# KiCad board BeanBoard.kicad_pcb (continued)
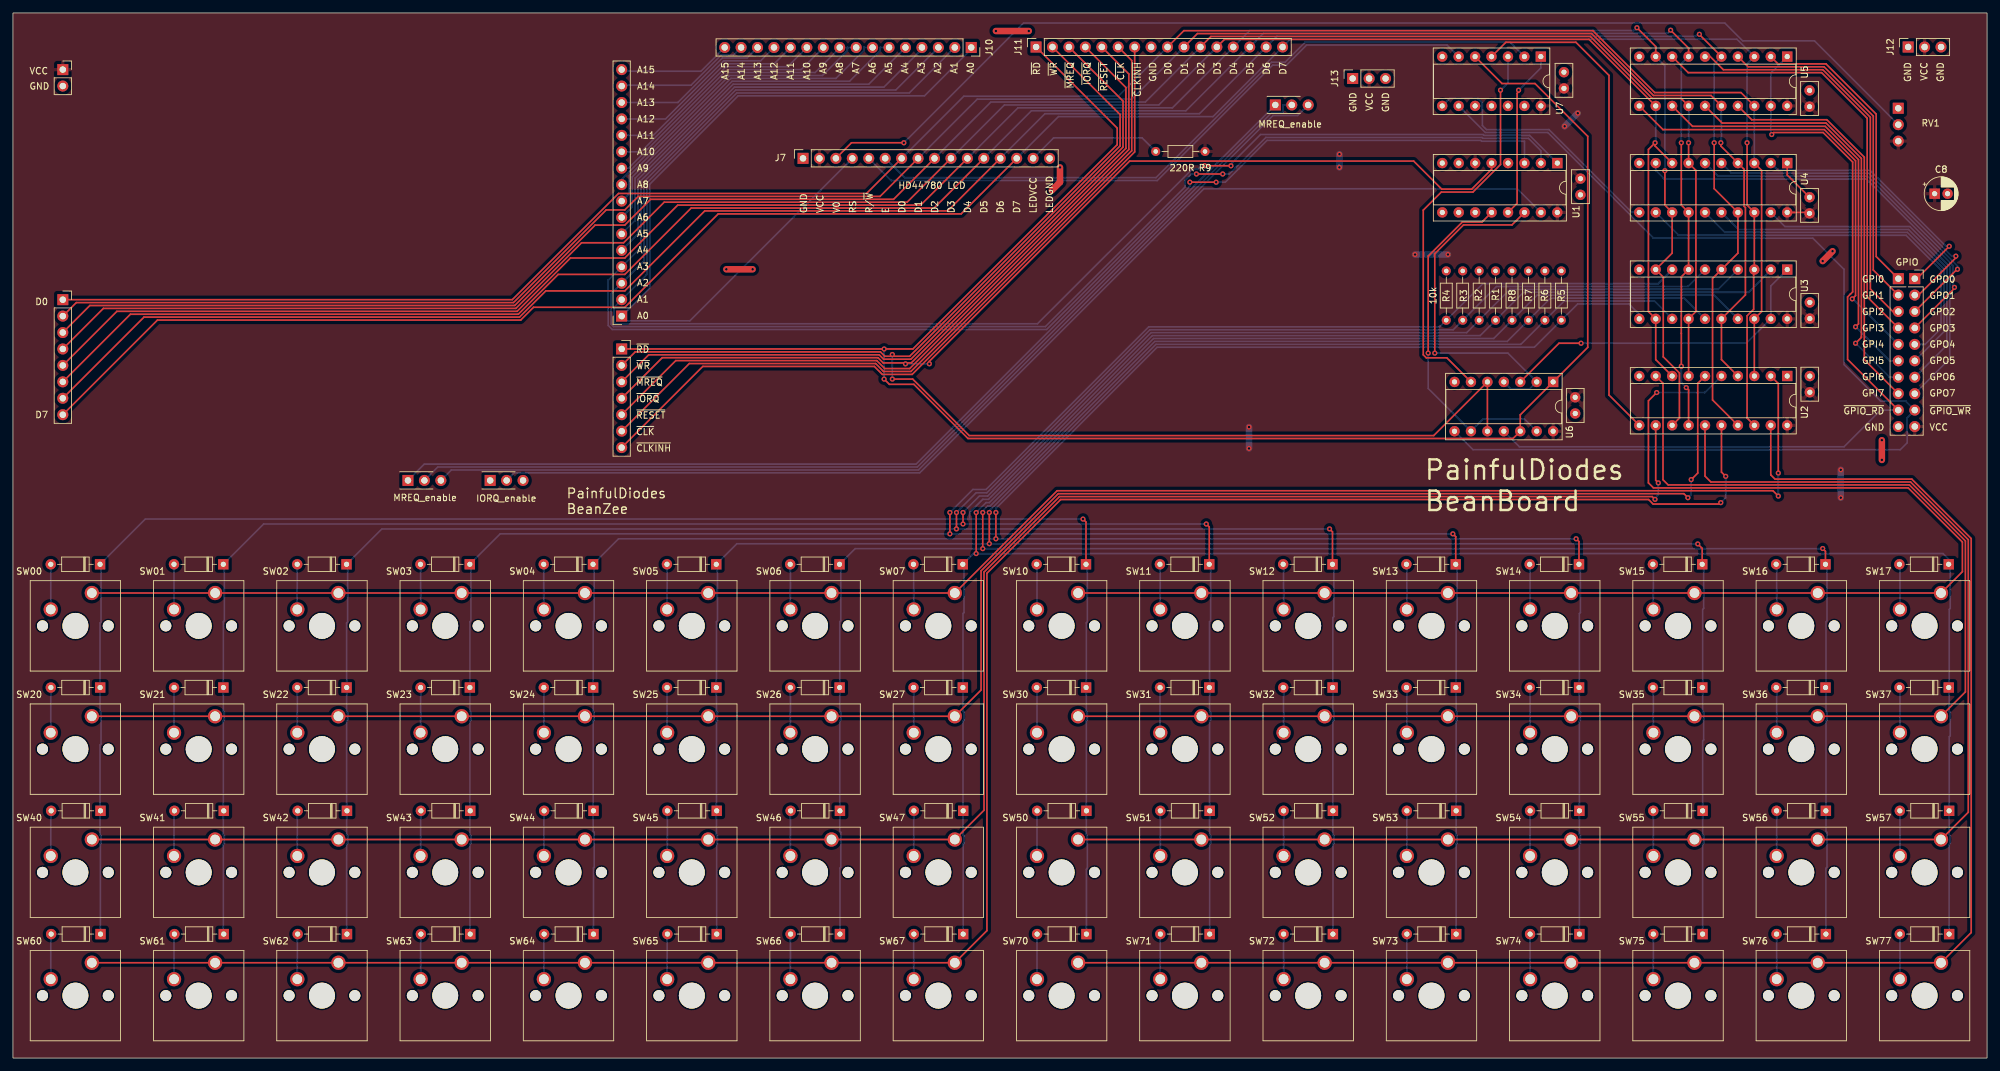
[diagram p0: board, top side]
## Nets
GND: C1.1 C2.1 C3.1 C4.2 C5.2 C6.1 C7.1 C8.2 J4.2 J7.1 J7.16 J9.10 J11.8 J12.1 J12.3 J13.1 J13.3 R1.1 R2.1 R3.1 R4.1 R5.1 R6.1 R7.1 R8.1 RV1.1 U1.4 U1.8 U2.1 U2.10 U3.10 U4.1 U4.10 U5.10 U6.7 U7.7 U7.11 U7.13
VCC: C1.2 C2.2 C3.2 C4.1 C5.1 C6.2 C7.2 C8.1 J4.1 J7.2 J8.10 J12.2 J13.2 R9.2 RV1.3 U1.6 U1.16 U2.20 U3.20 U4.20 U5.20 U6.14 U7.14
/A0: J1.1 J7.4 J10.1
/A1: J1.2 J10.2 U1.1
/A2: J1.3 J10.3 U1.2
/A3: J1.4 J10.4 U1.3
/A4: J1.5 J10.5
/A5: J1.6 J10.6
/A6: J1.7 J10.7
/A7: J1.8 J10.8
/A8: J1.9 J10.9
/A9: J1.10 J10.10
/A10: J1.11 J10.11
/A11: J1.12 J10.12
/A12: J1.13 J10.13
/A13: J1.14 J10.14
/A14: J1.15 J10.15
/A15: J1.16 J10.16
/D0: J2.1 J7.7 J11.9 U2.3 U3.18 U4.3 U5.18
/D1: J2.2 J7.8 J11.10 U2.4 U3.16 U4.4 U5.16
/D2: J2.3 J7.9 J11.11 U2.7 U3.14 U4.7 U5.14
/D3: J2.4 J7.10 J11.12 U2.8 U3.12 U4.8 U5.12
/D4: J2.5 J7.11 J11.13 U2.13 U3.9 U4.13 U5.9
/D5: J2.6 J7.12 J11.14 U2.14 U3.7 U4.14 U5.7
/D6: J2.7 J7.13 J11.15 U2.17 U3.5 U4.17 U5.5
/D7: J2.8 J7.14 J11.16 U2.18 U3.3 U4.18 U5.3
/GPI0: J9.1 U5.2
/GPI1: J9.2 U5.4
/GPI2: J9.3 U5.6
/GPI3: J9.4 U5.8
/GPI4: J9.5 U5.11
/GPI5: J9.6 U5.13
/GPI6: J9.7 U5.15
/GPI7: J9.8 U5.17
/GPIO_WR: U4.11 U7.8
/GPO0: J8.1 U4.2
/GPO1: J8.2 U4.5
/GPO2: J8.3 U4.6
/GPO3: J8.4 U4.9
/GPO4: J8.5 U4.12
/GPO5: J8.6 U4.15
/GPO6: J8.7 U4.16
/GPO7: J8.8 U4.19
/KB_WR: U2.11 U7.4
/LCD_E: J7.6 U7.2
/LCD_LED_VCC: J7.15 R9.1
/LCD_V0: J7.3 RV1.2
/RD: J7.5 U7.6
/~{CLKINH}: J3.7 J11.7
/~{CLK}: J3.6 J11.6
/~{GPIO_E}: U1.12 U6.9 U6.13
/~{GPIO_RD}: J9.9 U5.1 U5.19 U6.11
/~{GPIO_WR}: J8.9 U6.8 U7.9
/~{IORQ}: J3.4 J11.4 U1.5
/~{KB_E}: U1.14 U6.2 U6.4
/~{KB_RD}: U3.1 U3.19 U6.3
/~{KB_WR}: U6.6 U7.3
/~{LCD_E}: U1.13 U7.1
/~{MREQ}: J3.3 J11.3
/~{RD}: J3.1 J11.1 U6.1 U6.12 U7.5
/~{RESET}: J3.5 J11.5
/~{USB_IORQ}: J5.2 U1.15
/~{WR}: J3.2 J11.2 U6.5 U6.10
Net-(D00-A): D00.2 SW00.2
Net-(D00-K): D00.1 D10.1 D20.1 D30.1 D40.1 D50.1 D60.1 D70.1 R1.2 U3.2
Net-(D01-A): D01.2 SW01.2
Net-(D01-K): D01.1 D11.1 D21.1 D31.1 D41.1 D51.1 D61.1 D71.1 R2.2 U3.4
Net-(D02-A): D02.2 SW02.2
Net-(D02-K): D02.1 D12.1 D22.1 D32.1 D42.1 D52.1 D62.1 D72.1 R3.2 U3.6
Net-(D03-A): D03.2 SW03.2
Net-(D03-K): D03.1 D13.1 D23.1 D33.1 D43.1 D53.1 D63.1 D73.1 R4.2 U3.8
Net-(D04-A): D04.2 SW04.2
Net-(D04-K): D04.1 D14.1 D24.1 D34.1 D44.1 D54.1 D64.1 D74.1 R5.2 U3.11
Net-(D05-A): D05.2 SW05.2
Net-(D05-K): D05.1 D15.1 D25.1 D35.1 D45.1 D55.1 D65.1 D75.1 R6.2 U3.13
Net-(D06-A): D06.2 SW06.2
Net-(D06-K): D06.1 D16.1 D26.1 D36.1 D46.1 D56.1 D66.1 D76.1 R7.2 U3.15
Net-(D07-A): D07.2 SW07.2
Net-(D07-K): D07.1 D17.1 D27.1 D37.1 D47.1 D57.1 D67.1 D77.1 R8.2 U3.17
Net-(D10-A): D10.2 SW10.2
Net-(D11-A): D11.2 SW11.2
Net-(D12-A): D12.2 SW12.2
Net-(D13-A): D13.2 SW13.2
Net-(D14-A): D14.2 SW14.2
Net-(D15-A): D15.2 SW15.2
Net-(D16-A): D16.2 SW16.2
Net-(D17-A): D17.2 SW17.2
Net-(D20-A): D20.2 SW20.2
Net-(D21-A): D21.2 SW21.2
Net-(D22-A): D22.2 SW22.2
Net-(D23-A): D23.2 SW23.2
Net-(D24-A): D24.2 SW24.2
Net-(D25-A): D25.2 SW25.2
Net-(D26-A): D26.2 SW26.2
Net-(D27-A): D27.2 SW27.2
Net-(D30-A): D30.2 SW30.2
Net-(D31-A): D31.2 SW31.2
Net-(D32-A): D32.2 SW32.2
Net-(D33-A): D33.2 SW33.2
Net-(D34-A): D34.2 SW34.2
Net-(D35-A): D35.2 SW35.2
Net-(D36-A): D36.2 SW36.2
Net-(D37-A): D37.2 SW37.2
Net-(D40-A): D40.2 SW40.2
Net-(D41-A): D41.2 SW41.2
Net-(D42-A): D42.2 SW42.2
Net-(D43-A): D43.2 SW43.2
Net-(D44-A): D44.2 SW44.2
Net-(D45-A): D45.2 SW45.2
Net-(D46-A): D46.2 SW46.2
Net-(D47-A): D47.2 SW47.2
Net-(D50-A): D50.2 SW50.2
Net-(D51-A): D51.2 SW51.2
Net-(D52-A): D52.2 SW52.2
Net-(D53-A): D53.2 SW53.2
Net-(D54-A): D54.2 SW54.2
Net-(D55-A): D55.2 SW55.2
Net-(D56-A): D56.2 SW56.2
Net-(D57-A): D57.2 SW57.2
Net-(D60-A): D60.2 SW60.2
Net-(D61-A): D61.2 SW61.2
Net-(D62-A): D62.2 SW62.2
Net-(D63-A): D63.2 SW63.2
Net-(D64-A): D64.2 SW64.2
Net-(D65-A): D65.2 SW65.2
Net-(D66-A): D66.2 SW66.2
Net-(D67-A): D67.2 SW67.2
Net-(D70-A): D70.2 SW70.2
Net-(D71-A): D71.2 SW71.2
Net-(D72-A): D72.2 SW72.2
Net-(D73-A): D73.2 SW73.2
Net-(D74-A): D74.2 SW74.2
Net-(D75-A): D75.2 SW75.2
Net-(D76-A): D76.2 SW76.2
Net-(D77-A): D77.2 SW77.2
Net-(J6-Pin_1): J6.1 JP1.1
Net-(J6-Pin_2): J6.2 JP1.2
Net-(J6-Pin_3): J6.3 JP1.3
Net-(U2-O0): SW00.1 SW01.1 SW02.1 SW03.1 SW04.1 SW05.1 SW06.1 SW07.1 U2.2
Net-(U2-O1): SW10.1 SW11.1 SW12.1 SW13.1 SW14.1 SW15.1 SW16.1 SW17.1 U2.5
Net-(U2-O2): SW20.1 SW21.1 SW22.1 SW23.1 SW24.1 SW25.1 SW26.1 SW27.1 U2.6
Net-(U2-O3): SW30.1 SW31.1 SW32.1 SW33.1 SW34.1 SW35.1 SW36.1 SW37.1 U2.9
Net-(U2-O4): SW40.1 SW41.1 SW42.1 SW43.1 SW44.1 SW45.1 SW46.1 SW47.1 U2.12
Net-(U2-O5): SW50.1 SW51.1 SW52.1 SW53.1 SW54.1 SW55.1 SW56.1 SW57.1 U2.15
Net-(U2-O6): SW60.1 SW61.1 SW62.1 SW63.1 SW64.1 SW65.1 SW66.1 SW67.1 U2.16
Net-(U2-O7): SW70.1 SW71.1 SW72.1 SW73.1 SW74.1 SW75.1 SW76.1 SW77.1 U2.19

Pads without a net: J5 1 3; U1 7 9 10 11; U7 10 12

## Via types
v1: diameter 0.8, hole 0.4, Top to Bottom, 88 vias

## Routing (per net, layer and track width the routed paths; a pad name or vN(x,y) marks a point on that pad's centre or on a via; arc(x,y) is an arc through that point)
GND: length 25.1
  Top w0.25: U4.1 274.17,136.51 C2.1
  Top w1: v1(160.53,134.11) 161.8,135.38 v1(161.8,137.67) ; v1(279.65,123.19) v1(281.18,124.71) ; v1(288.8,95.5) v1(288.8,92.46) ; v1(156.97,158.75) v1(151.89,158.75) ; v1(110.24,121.92) v1(114.3,121.92)
VCC: length 21.1
  Top w0.25: C2.2 277.46,130.72 U4.20
  Bottom w1: v1(191.01,94.23) v1(191.01,97.54) ; v1(282.45,90.93) v1(282.45,86.61) ; v1(221.74,124.21) v1(216.66,124.21) ; v1(204.98,139.7) v1(204.98,137.67) ; v1(239.78,144.02) v1(241.81,146.05)
/A0: length 125.8
  Bottom w0.25: J1.1 98.39,119.01 98.39,135.07 112.05,148.73 140.86,148.73 148.08,155.96 ; J7.4 104.6,113.96 94.79,113.96
/A1: length 239.9
  Top w0.25: v1(184.15,137.92) 188.21,137.92 v1(188.21,137.92)
  Bottom w0.25: U1.1 234.38,142.61 227.33,142.61 227.19,142.75 192.79,142.75 188.21,138.18 v1(188.21,137.92) ; 145.54,156.21 138.51,149.18 111.87,149.18 97.94,135.25 97.94,121.1 J1.2 92.89,116.05 92.89,113.61 92.99,113.51 158.33,113.51 182.2,137.38 183.1,137.38 183.64,137.92 v1(184.15,137.92)
/A2: length 237.5
  Top w0.25: v1(182.88,136.65) v1(186.94,136.65)
  Bottom w0.25: v1(182.88,136.65) 182.11,136.65 181.14,135.68 181.14,134.66 159.54,113.06 92.81,113.06 92.44,113.43 92.44,118.14 J1.3 97.49,123.19 97.49,135.44 111.68,149.63 136.43,149.63 J10.3 ; v1(186.94,136.65) 187.98,136.65 188.94,137.62 188.94,137.63 193.61,142.3 227,142.3 227.14,142.16 234.19,142.16 236.11,140.24 U1.2
/A3: length 234.1
  Top w0.25: v1(181.86,135.38) v1(185.93,135.38)
  Bottom w0.25: v1(181.86,135.38) 181.86,134.75 159.72,112.61 92.62,112.61 91.99,113.24 91.99,120.23 J1.4 97.04,125.28 97.04,135.63 111.49,150.08 134.59,150.08 140.46,155.96 ; v1(185.93,135.38) 187.34,135.38 189.39,137.43 189.39,137.44 193.79,141.85 226.82,141.85 226.95,141.71 233.57,141.71 U1.3
/A4: length 61.8
  Bottom w0.25: J1.5 96.59,127.37 96.59,135.81 111.31,150.53 132.25,150.53 J10.5
/A5: length 57.4
  Bottom w0.25: J10.6 134.02,156.21 134.02,155.72 129.28,150.98 111.12,150.98 96.14,136 96.14,129.46 J1.6
/A6: length 52.7
  Bottom w0.25: J10.7 131.48,156.21 131.48,155.72 127.19,151.43 110.93,151.43 95.69,136.19 95.69,131.55 J1.7
/A7: length 48
  Bottom w0.25: J1.8 95.24,133.64 95.24,136.37 110.75,151.88 125.1,151.88 128.94,155.72 128.94,156.21 J10.8
/A8: length 42.9
  Bottom w0.25: 127.76,156.14 123.95,152.33 110.56,152.33 94.06,135.83 J1.9
/A9: length 38.9
  Bottom w0.25: J1.10 95.14,137.54 110.38,152.78 121.8,152.78 J10.10
/A10: length 35.3
  Bottom w0.25: J10.11 119.71,153.23 110.19,153.23 97.04,140.08 J1.11
/A11: length 31.7
  Bottom w0.25: J10.12 117.62,153.68 110,153.68 98.94,142.62 J1.12
/A12: length 28.1
  Bottom w0.25: J1.13 100.85,145.16 109.82,154.13 115.53,154.13 J10.13
/A13: length 24.5
  Bottom w0.25: J10.14 113.44,154.58 109.63,154.58 102.75,147.7 J1.14
/A14: length 20.7
  Bottom w0.25: 94.19,150.37 104.78,150.37 109.44,155.03 111.34,155.03 112.52,156.21
/A15: length 17.2
  Bottom w0.25: J10.16 106.3,152.53 94.32,152.53
/D0: length 326.1
  Top w0.25: J2.1 77.16,117.22 93.58,133.64 131.9,133.64 J7.7 ; U4.3 270.22,137.21 270.22,115.38 U3.18 U2.3 ; J11.9 180.94,158.81 244.13,158.81 253.7,149.24 267.03,149.24 U5.18
  Bottom w0.25: U5.18 U4.3 ; J11.9 170.81,148.67 146.93,148.67 J7.7
/D1: length 325
  Top w0.25: U2.4 264.01,107.96 U3.16 267.72,117.96 267.72,131.45 267.52,131.65 267.52,137.37 U4.4 263.91,140.97 v1(263.91,141.48) ; J7.8 133.99,133.19 96.64,133.19 94.55,131.1 91.67,131.1 77.35,116.77 9.79,116.77 J2.2 ; J11.10 183.03,158.36 243.94,158.36 253.51,148.79 262.4,148.79 U5.16
  Bottom w0.25: U5.16 264.01,141.58 v1(263.91,141.48) ; J7.8 149.02,148.22 172.9,148.22 J11.10
/D2: length 317.3
  Top w0.25: J2.3 11.88,116.32 77.53,116.32 89.96,128.75 94.55,128.75 98.54,132.74 136.08,132.74 J7.9 ; v1(258.93,141.48) U4.7 260.06,137.21 260.06,115.38 U3.14 U2.7 ; J11.11 185.12,157.91 243.76,157.91 253.32,148.34 257.77,148.34 U5.14
  Bottom w0.25: J11.11 174.99,147.77 151.11,147.77 J7.9 ; U5.14 v1(258.93,141.48)
/D3: length 318.2
  Top w0.25: U5.12 243.57,157.46 187.21,157.46 J11.12 ; U2.8 253.85,107.96 U3.12 252.73,115.38 252.73,140.45 v1(253.75,141.48) 253.75,140.97 U4.8 ; J7.10 138.17,132.29 100.63,132.29 94.36,126.02 87.87,126.02 77.72,115.87 13.97,115.87 J2.4
  Bottom w0.25: U5.12 253.85,141.58 v1(253.75,141.48) ; J7.10 153.2,147.32 177.08,147.32 J11.12
/D4: length 331.6
  Top w0.25: U5.9 253.85,156.36 v1(250.95,159.26) ; v1(255.27,137.16) 255.27,131.84 U4.13 256.39,124.42 U3.9 255.02,120.71 255.02,108.39 257.52,105.89 257.52,98.93 U2.13 ; J7.11 140.26,131.84 102.72,131.84 94.55,123.67 86.15,123.67 77.91,115.42 16.06,115.42 J2.5
  Bottom w0.25: U5.9 255.27,153.38 v1(255.27,137.16) ; J7.11 155.29,146.87 179.17,146.87 J11.13 191.13,158.83 250.52,158.83 v1(250.95,159.26)
/D5: length 335.1
  Top w0.25: v1(258.57,103.63) 258.93,103.27 U2.14 ; v1(256.16,158.88) 258.93,156.1 U5.7 ; 257.81,114.72 257.81,112.02 257.81,112.01 v1(257.81,106.93) ; v1(257.81,141.48) 257.81,131.84 U4.14 U3.7 257.81,120.76 257.81,114.73 ; J7.12 142.35,131.39 104.81,131.39 94.55,121.13 84.25,121.13 78.09,114.97 18.15,114.97 J2.6
  Bottom w0.25: v1(257.81,141.48) 257.81,153.67 U5.7 ; v1(256.16,158.88) 255.66,158.38 193.22,158.38 J11.14 181.26,146.42 157.38,146.42 J7.12 ; v1(257.81,106.93) 257.81,106.93 257.81,104.4 v1(258.57,103.63)
/D6: length 343
  Top w0.25: J7.13 144.44,130.94 106.9,130.94 94.55,118.59 82.34,118.59 78.28,114.52 20.24,114.52 J2.7 ; v1(262.89,141.48) 262.89,134.38 U4.17 266.55,124.42 U3.5 262.64,120.5 262.64,101.72 U2.17 ; v1(260.6,158.24) 260.6,158.2 U5.5
  Bottom w0.25: v1(262.89,141.48) 262.89,153.67 U5.5 ; 260.35,158.24 260.04,157.93 195.31,157.93 J11.15 183.35,145.97 159.47,145.97 J7.13
/D7: length 345
  Top w0.25: U3.3 U4.18 267.97,131.84 267.97,141.22 ; J2.8 22.33,114.07 78.47,114.07 80.44,116.05 94.55,116.05 108.99,130.49 146.53,130.49 J7.14 ; U2.18 267.97,98.93 267.97,114.72 268.99,115.74 268.99,121.77
  Bottom w0.25: J7.14 161.56,145.52 185.44,145.52 J11.16 197.4,157.48 266.4,157.48 U5.3 267.97,153.67 v1(267.97,141.48)
/GPI0: length 46.8
  Top w0.25: U5.2 272.76,153.67 280.16,153.67 280.16,153.67 287.92,145.91 287.92,123.89 J9.1
/GPI1: length 54
  Top w0.25: U5.4 268.13,153.22 279.86,153.22 287.47,145.6 287.47,121.8 J9.2
/GPI2: length 61.5
  Top w0.25: 261.87,155.19 264.3,152.77 279.67,152.77 287.02,145.42 287.02,118.87 290.5,115.39 J9.3
/GPI3: length 68.5
  Top w0.25: U5.8 258.87,152.32 279.48,152.32 286.53,145.27 286.53,117.6 286.59,117.6 J9.4
/GPI4: length 68.5
  Top w0.25: U5.11 254.97,143.51 279.91,143.51 284.73,138.68 284.73,117.86 v1(284.23,117.35)
  Bottom w0.25: v1(284.23,117.35) 284.31,117.35 J9.5
/GPI5: length 67
  Top w0.25: U5.13 259.55,144.02 280.04,144.02 285.18,138.87 285.18,113.48 v1(284.73,113.03)
  Bottom w0.25: v1(284.73,113.03) 289.99,107.77 J9.6
/GPI6: length 65.2
  Top w0.25: U5.15 264.12,144.53 280.16,144.53 285.63,139.06 285.63,111.39 v1(284.73,110.49)
  Bottom w0.25: J9.7 289.99,105.23 v1(284.73,110.49)
/GPI7: length 61.5
  Top w0.25: J9.8 286.08,107.95 286.08,139.24 280.29,145.03 268.69,145.03 U5.17
/GPIO_WR: length 40.3
  Bottom w0.25: U4.11 250.16,130.72 237.36,143.51 227.7,143.51 227.07,144.14 227.07,147.64 226.37,148.34 222.03,148.34 U7.8
/GPO0: length 40
  Top w0.25: v1(299.21,125.48) 294.21,120.47
  Bottom w0.25: U4.2 272.76,137.21 286.97,137.21 298.7,125.48 v1(299.21,125.48)
/GPO1: length 50.6
  Top w0.25: 294.46,117.93 300.23,123.7 v1(300.23,123.95)
  Bottom w0.25: v1(300.23,123.95) 299.59,123.95 286.78,136.76 265.59,136.76 U4.5
/GPO2: length 55.4
  Top w0.25: J8.3 300.41,121.92 v1(300.48,121.92)
  Bottom w0.25: U4.6 263.5,136.31 286.6,136.31 300.48,122.43 v1(300.48,121.92)
/GPO3: length 65.4
  Top w0.25: J8.4 300.02,118.99 v1(300.02,119.13)
  Bottom w0.25: v1(300.02,119.13) 299.74,119.4 299.74,122.53 286.41,135.86 255.2,135.86 253.85,137.2 U4.9
/GPO4: length 61.9
  Bottom w0.25: J8.5 295.48,110.31 297.94,112.78 297.94,121.78 292.55,127.17 257.39,127.17 U4.12
/GPO5: length 56.6
  Bottom w0.25: J8.6 298.39,112.28 298.39,121.97 292.74,127.62 264.56,127.62 U4.15
/GPO6: length 57.4
  Bottom w0.25: U4.16 266.65,128.07 292.92,128.07 298.84,122.16 298.84,110.19 J8.7
/GPO7: length 53
  Bottom w0.25: U4.19 273.82,128.52 293.11,128.52 299.29,122.34 299.29,108.1 J8.8
/KB_WR: length 77.2
  Top w0.25: U7.4 230.7,157.01 241.52,157.01 246.63,151.89 246.63,102.48 U2.11
/LCD_E: length 109.6
  Bottom w0.25: U7.2 231.32,157.03 199.7,157.03 196.6,153.92 194.48,153.92 176.64,136.09 137.77,136.09 J7.6
/LCD_LED_VCC: length 20.7
  Bottom w0.25: 176.26,140.46 174.48,142.24 160.82,142.24 J7.15
/LCD_V0: length 179.3
  Top w0.25: J7.3 129.58,141.48 v1(137.67,141.48)
  Bottom w0.25: v1(137.67,141.48) 156.17,159.98 264.54,159.98 267.29,157.23 278.38,157.23 RV1.2
/RD: length 102
  Bottom w0.25: J7.5 135.68,135.64 176.83,135.64 194.66,153.47 196.78,153.47 199.89,156.58 221.61,156.58 U7.6
/~{CLKINH}: length 115.4
  Top w0.25: J11.7 173.34,140.06 138.95,105.67 134.34,105.67 133.11,106.9 106.6,106.9 J3.7
/~{CLK}: length 114.7
  Top w0.25: J3.6 104.51,107.35 133.3,107.35 134.53,106.12 138.76,106.12 172.89,140.25 172.89,154.19 J11.6
/~{GPIO_E}: length 54.1
  Top w0.25: U1.12 227,129.23 223.97,129.23 218.69,123.95 v1(218.69,108.97)
  Bottom w0.25: v1(218.69,108.97) 218.69,103.5 U6.9 227.22,98.81 233.55,98.81 U6.13
/~{GPIO_RD}: length 133.9
  Top w0.25: v1(271.78,142.75) 272.09,143.06 279.72,143.06 284.28,138.5 284.28,118.42 283.94,118.07 283.93,118.07 283.5,117.65 283.5,107.99 J9.9
  Bottom w0.25: v1(271.78,142.75) 271.63,142.9 U5.19 271.63,152.25 U5.1 ; J9.9 288.62,100.15 282.96,94.49 232.78,94.49 U6.11
/~{GPIO_WR}: length 175.7
  Bottom w0.25: U7.9 227.51,143.06 237.18,143.06 253.51,126.72 278.13,126.72 282.93,121.92 282.96,121.92 282.96,107.19 288.63,101.52 292.52,101.52 J8.9 292.71,98.98 292.71,95.1 291.65,94.04 225.61,94.04 U6.8
/~{IORQ}: length 220.8
  Top w0.25: J11.4 171.99,150.01 171.99,140.62 138.81,107.44 138.06,107.44 v1(137.92,107.3) 137.78,107.44 134.48,107.44 133.67,108.25 100.33,108.25 J3.4 ; U1.5 228.49,137.38 225.42,134.31 220.78,134.31 216.44,138.65 172.56,138.65 141.61,107.7 v1(141.61,107.31)
  Bottom w0.25: v1(141.61,107.31) 141.6,107.3 v1(137.92,107.3)
/~{KB_E}: length 55.5
  Top w0.25: v1(219.71,108.97) 219.71,124.33 224.16,128.78 231.63,128.78 U1.14
  Bottom w0.25: U6.4 231.51,103.38 234.34,103.38 U6.2 231.01,108.97 v1(219.71,108.97)
/~{KB_RD}: length 51.4
  Top w0.25: v1(242.32,110.49) 238.9,110.49 U6.3
  Bottom w0.25: U3.1 271.63,119.34 U3.19 267.86,110.49 v1(242.32,110.49)
/~{KB_WR}: length 63.5
  Top w0.25: U6.6 221.57,108.24 218.39,108.24 217.93,108.7 217.93,131.06 220.73,133.86 225.61,133.86 229.87,138.12 v1(229.87,149.61)
  Bottom w0.25: v1(229.87,149.61) 231.02,150.76 U7.3
/~{LCD_E}: length 26.2
  Top w0.25: U1.13 232.44,132.12 232.44,149.12 232.66,149.35 v1(232.66,149.61)
  Bottom w0.25: U7.1 236.1,153.04 v1(232.66,149.61)
/~{MREQ}: length 112
  Top w0.25: J3.3 98.24,108.7 133.86,108.7 134.54,108.02 138.75,108.02 171.54,140.81 171.54,147.92 J11.3
/~{RD}: length 289.6
  Top w0.25: v1(134.62,104.95) 135.43,104.14 139.21,104.14 147.58,95.76 231.8,95.76 U6.12 232.92,99.43 U6.1 243.35,109.85 243.35,142.48 235.19,150.63 230.1,150.63 U7.5 ; J3.1 139.06,109.6 170.64,141.18 170.64,143.74 J11.1
  Bottom w0.25: v1(134.62,104.95) v1(134.62,109.6)
/~{RESET}: length 113.9
  Top w0.25: J11.5 172.44,152.1 172.44,140.44 138.58,106.57 134.71,106.57 133.49,107.8 102.42,107.8 J3.5
/~{USB_IORQ}: length 180
  Bottom w0.25: J5.2 77.46,90.46 140.12,90.46 184.03,134.37 232.46,134.37 U1.15
/~{WR}: length 221.7
  Top w0.25: J11.2 171.09,145.83 171.09,140.99 138.57,108.47 134.72,108.47 134.04,109.15 96.15,109.15 J3.2 ; U6.10 U6.5 219.55,96.21 147.77,96.21 139.04,104.95 v1(135.89,104.95)
  Bottom w0.25: v1(135.89,108.75) v1(135.89,104.95)
Net-(D00-A): length 7
  Bottom w0.25: D00.2 SW00.2
Net-(D00-K): length 416.9
  Top w0.25: v1(165.35,83.31) 165.82,82.85 D10.1
  Bottom w0.25: 13.62,76.17 13.62,67.42 13.46,67.26 13.46,53.58 13.62,53.42 13.62,48.54 13.46,48.39 13.46,34.53 13.62,34.37 13.62,33.19 13.51,33.08 13.51,19.18 ; D70.1 165.88,29.18 166.02,29.32 166.02,34.37 165.86,34.53 165.86,52.09 166.02,52.24 166.02,53.42 165.86,53.58 165.86,67.26 166.02,67.42 166.02,76.12 ; 147.83,83.31 147.83,84.33 149.86,86.36 150.75,86.36 176.06,111.67 226.73,111.67 R1.2 233.43,118.36 268.22,118.36 271.63,121.77 ; 147.83,83.31 20.45,83.31 D00.1 ; 147.83,83.31 v1(165.35,83.31)
Net-(D01-A): length 7
  Bottom w0.25: D01.2 24.89,69.35
Net-(D01-K): length 412.5
  Top w0.25: v1(184.4,82.55) 184.86,82.09 D11.1 ; v1(146.81,84.33) v1(146.81,82.55)
  Bottom w0.25: U3.4 263.49,118.81 231.34,118.81 R2.2 224.64,112.12 175.88,112.12 150.62,86.87 149.34,86.87 146.81,84.34 v1(146.81,84.33) ; v1(184.4,82.55) 38.73,82.55 D01.1 ; 32.51,19.22 32.51,33.04 32.67,33.19 32.67,34.37 32.51,34.53 32.51,52.09 32.67,52.24 32.67,53.42 32.51,53.58 32.51,67.44 32.67,67.59 32.67,76.16 ; 185.07,76.12 185.07,67.59 184.91,67.44 184.91,53.58 185.07,53.42 185.07,52.24 184.91,52.09 184.91,34.53 185.07,34.37 185.07,33.19 184.93,33.05 D71.1
Net-(D02-A): length 7
  Bottom w0.25: D02.2 43.93,69.35
Net-(D02-K): length 408.1
  Top w0.25: v1(145.8,81.79) 145.8,84.32 v1(145.8,84.32) ; D12.1 203.9,81.34 v1(203.45,81.79)
  Bottom w0.25: 51.56,19.22 51.56,33.04 51.72,33.19 51.72,34.37 51.56,34.53 51.56,52.09 51.72,52.24 51.72,53.42 51.56,53.58 51.56,67.25 51.72,67.41 51.72,76.16 ; v1(203.45,81.79) 57.02,81.79 D02.1 ; v1(145.8,84.32) 145.8,84.34 148.83,87.38 150.5,87.38 175.69,112.57 222.55,112.57 R3.2 229.25,119.26 258.86,119.26 U3.6 ; 204.12,76.11 204.12,68.23 203.96,68.07 203.96,53.58 204.12,53.42 204.12,52.24 203.96,52.09 203.96,34.53 204.12,34.37 204.12,33.19 203.97,33.05 D72.1
Net-(D03-A): length 7
  Bottom w0.25: SW03.2 62.99,76.31
Net-(D03-K): length 403.7
  Top w0.25: v1(144.78,84.33) v1(144.78,81.03) ; v1(222.5,81.03) 222.95,80.58 D13.1
  Bottom w0.25: v1(144.78,84.33) 148.34,87.88 150.37,87.88 175.5,113.02 220.46,113.02 R4.2 227.16,119.71 254.23,119.71 U3.8 ; D73.1 223.01,33.04 223.17,33.19 223.17,34.37 223.01,34.53 223.01,52.09 223.17,52.24 223.17,53.42 223.01,53.58 223.01,67.44 223.17,67.59 223.17,76.1 ; 70.61,19.21 70.61,33.04 70.77,33.19 70.77,34.37 70.61,34.53 70.61,52.09 70.77,52.24 70.77,53.42 70.61,53.58 70.61,67.44 70.77,67.59 70.77,76.15 ; D03.1 75.3,81.03 v1(222.5,81.03)
Net-(D04-A): length 7
  Bottom w0.25: D04.2 82.02,69.36
Net-(D04-K): length 390.8
  Top w0.25: D14.1 241.99,79.82 v1(241.55,80.26) ; v1(151.89,84.33) v1(151.89,80.26)
  Bottom w0.25: 242.22,76.1 242.22,68.86 242.06,68.71 242.06,53.58 242.22,53.42 242.22,52.24 242.06,52.09 242.06,34.53 242.22,34.37 242.22,33.19 242.06,33.03 D74.1 ; D04.1 93.58,80.26 v1(241.55,80.26) ; v1(151.89,84.33) 151.89,84.95 176.81,109.87 235.09,109.87 R5.2 241.79,116.56 249.7,116.56 251.31,114.96 U3.11 ; 89.82,76.14 89.82,67.59 89.66,67.44 89.66,53.58 89.82,53.42 89.82,52.24 89.66,52.09 89.66,35.05 89.82,34.9 89.82,29.49 89.7,29.38 D64.1
Net-(D05-A): length 7
  Bottom w0.25: SW05.2 101.09,76.29
Net-(D05-K): length 396.1
  Top w0.25: v1(150.88,84.33) v1(150.88,79.5) ; D15.1 261.04,78.78 v1(260.35,79.47)
  Bottom w0.25: D65.1 108.75,33.07 108.87,33.19 108.87,34.37 108.71,34.53 108.71,52.09 108.87,52.24 108.87,53.42 108.71,53.58 108.71,67.44 108.87,67.59 108.87,76.14 ; v1(150.88,84.33) 150.88,84.57 176.62,110.32 233,110.32 R6.2 239.7,117.01 253.64,117.01 U3.13 ; D05.1 111.86,79.5 260.31,79.5 v1(260.35,79.47) ; 261.27,76.09 261.27,69.5 261.11,69.34 261.11,53.58 261.27,53.42 261.27,49.18 261.11,49.02 261.11,34.53 261.27,34.37 261.27,33.19 261.1,33.03 D75.1
Net-(D06-A): length 6.9
  Bottom w0.25: SW06.2 120.14,76.29
Net-(D06-K): length 402.5
  Top w0.25: v1(149.86,84.33) v1(149.86,78.74) ; v1(279.65,78.76) 280.08,78.33 D16.1
  Bottom w0.25: U3.15 258.27,117.46 237.61,117.46 R7.2 230.91,110.77 176.44,110.77 151.01,85.34 150.62,85.34 149.86,84.59 v1(149.86,84.33) ; D76.1 280.15,29.32 280.32,29.49 280.32,34.9 280.16,35.05 280.16,52.09 280.32,52.24 280.32,53.42 280.16,53.58 280.16,67.44 280.32,67.59 280.32,76.09 ; D66.1 127.79,29.37 127.92,29.49 127.92,34.9 127.76,35.05 127.76,52.09 127.92,52.24 127.92,53.42 127.76,53.58 127.76,67.44 127.92,67.59 127.92,76.13 ; D06.1 130.15,78.74 279.63,78.74 v1(279.65,78.76)
Net-(D07-A): length 6.9
  Bottom w0.25: SW07.2 139.19,76.28
Net-(D07-K): length 408.2
  Top w0.25: v1(148.84,77.98) 148.85,77.98 v1(148.85,84.32)
  Bottom w0.25: D67.1 146.84,33.06 146.97,33.19 146.97,34.37 146.81,34.53 146.81,52.09 146.97,52.24 146.97,53.42 146.81,53.58 146.81,68.71 146.97,68.86 146.97,76.13 ; U3.17 262.9,117.91 235.52,117.91 R8.2 228.82,111.22 176.25,111.22 150.88,85.85 150.36,85.85 148.85,84.34 v1(148.85,84.32) ; D17.1 299.13,77.11 298.25,77.98 148.43,77.98 D07.1 ; D77.1 299.19,33.02 299.37,33.19 299.37,34.37 299.21,34.53 299.21,49.66 299.37,49.81 299.37,53.42 299.21,53.58 299.21,69.34 299.37,69.5 299.37,76.08
Net-(D10-A): length 6.9
  Bottom w0.25: SW10.2 158.24,76.28
Net-(D11-A): length 6.9
  Bottom w0.25: SW11.2 177.29,76.27
Net-(D12-A): length 6.9
  Bottom w0.25: SW12.2 196.34,76.27
Net-(D13-A): length 6.9
  Bottom w0.25: SW13.2 215.39,76.26
Net-(D14-A): length 6.9
  Bottom w0.25: SW14.2 234.44,76.25
Net-(D15-A): length 6.9
  Bottom w0.25: SW15.2 253.49,76.25
Net-(D16-A): length 6.9
  Bottom w0.25: SW16.2 272.54,76.24
Net-(D17-A): length 6.9
  Bottom w0.25: SW17.2 291.59,76.24
Net-(D20-A): length 7
  Bottom w0.25: SW20.2 5.84,57.26
Net-(D21-A): length 7
  Bottom w0.25: SW21.2 24.89,57.26
Net-(D22-A): length 7
  Bottom w0.25: D22.2 43.94,50.29
Net-(D23-A): length 7
  Bottom w0.25: SW23.2 62.99,57.27
Net-(D24-A): length 7
  Bottom w0.25: SW24.2 82.04,57.26
Net-(D25-A): length 7
  Bottom w0.25: D25.2 101.08,50.31
Net-(D26-A): length 7
  Bottom w0.25: SW26.2 120.14,57.25
Net-(D27-A): length 7
  Bottom w0.25: SW27.2 139.19,57.25
Net-(D30-A): length 6.9
  Bottom w0.25: SW30.2 158.24,57.24
Net-(D31-A): length 6.9
  Bottom w0.25: D31.2 177.25,50.33
Net-(D32-A): length 6.9
  Bottom w0.25: SW32.2 196.34,57.23
Net-(D33-A): length 6.9
  Bottom w0.25: SW33.2 215.39,57.22
Net-(D34-A): length 6.9
  Bottom w0.25: SW34.2 234.44,57.22
Net-(D35-A): length 6.9
  Bottom w0.25: SW35.2 253.49,57.21
Net-(D36-A): length 6.9
  Bottom w0.25: SW36.2 272.54,57.21
Net-(D37-A): length 6.9
  Bottom w0.25: SW37.2 291.59,57.2
Net-(D40-A): length 6.9
  Bottom w0.25: SW40.2 5.84,38.15
Net-(D41-A): length 6.9
  Bottom w0.25: SW41.2 24.89,38.16
Net-(D42-A): length 6.9
  Bottom w0.25: SW42.2 43.94,38.16
Net-(D43-A): length 6.9
  Bottom w0.25: SW43.2 62.99,38.17
Net-(D44-A): length 6.9
  Bottom w0.25: SW44.2 82.04,38.17
Net-(D45-A): length 6.9
  Bottom w0.25: D45.2 101.13,31.28
Net-(D46-A): length 6.9
  Bottom w0.25: SW46.2 120.14,38.19
Net-(D47-A): length 6.9
  Bottom w0.25: SW47.2 139.19,38.19
Net-(D50-A): length 7
  Bottom w0.25: SW50.2 158.24,38.2
Net-(D51-A): length 7
  Bottom w0.25: D51.2 177.31,31.26
Net-(D52-A): length 7
  Bottom w0.25: SW52.2 196.34,38.21
Net-(D53-A): length 7
  Bottom w0.25: SW53.2 215.39,38.21
Net-(D54-A): length 7
  Bottom w0.25: SW54.2 234.44,38.21
Net-(D55-A): length 7
  Bottom w0.25: SW55.2 253.49,38.21
Net-(D56-A): length 7
  Bottom w0.25: SW56.2 272.54,38.2
Net-(D57-A): length 7
  Bottom w0.25: SW57.2 291.59,38.2
Net-(D60-A): length 6.9
  Bottom w0.25: SW60.2 5.84,19.1
Net-(D61-A): length 6.9
  Bottom w0.25: SW61.2 24.89,19.1
Net-(D62-A): length 6.9
  Bottom w0.25: SW62.2 43.94,19.11
Net-(D63-A): length 6.9
  Bottom w0.25: SW63.2 62.99,19.11
Net-(D64-A): length 6.9
  Bottom w0.25: SW64.2 82.04,19.12
Net-(D65-A): length 6.9
  Bottom w0.25: SW65.2 101.09,19.13
Net-(D66-A): length 6.9
  Bottom w0.25: SW66.2 120.14,19.13
Net-(D67-A): length 6.9
  Bottom w0.25: SW67.2 139.19,19.14
Net-(D70-A): length 7
  Bottom w0.25: SW70.2 158.24,19.14
Net-(D71-A): length 7
  Bottom w0.25: SW71.2 177.29,19.15
Net-(D72-A): length 7
  Bottom w0.25: SW72.2 196.34,19.15
Net-(D73-A): length 7
  Bottom w0.25: SW73.2 215.39,19.16
Net-(D74-A): length 7
  Bottom w0.25: SW74.2 234.44,19.16
Net-(D75-A): length 7
  Bottom w0.25: SW75.2 253.49,19.15
Net-(D76-A): length 7
  Bottom w0.25: SW76.2 272.54,19.15
Net-(D77-A): length 7
  Bottom w0.25: SW77.2 291.59,19.14
Net-(J6-Pin_1): length 158.1
  Bottom w0.25: JP1.1 139.56,91.81 63.57,91.81 J6.1
Net-(J6-Pin_2): length 158.8
  Bottom w0.25: JP1.2 196.25,147.32 196.25,146.15 194.53,146.15 139.75,91.36 65.66,91.36 J6.2
Net-(J6-Pin_3): length 158.1
  Bottom w0.25: JP1.3 198.53,145.69 194.72,145.69 139.93,90.91 67.75,90.91 J6.3
Net-(U2-O0): length 286.5
  Top w0.25: v1(272.8,90.42) 272.8,104.26 U2.2 ; SW00.1 SW07.1 161.35,87.69 271.98,87.69 v1(272.8,86.87)
  Bottom w0.25: v1(272.8,90.42) v1(272.8,86.87)
Net-(U2-O1): length 220.5
  Top w0.25: SW10.1 SW17.1 301.24,75.18 301.24,79.76 292.86,88.14 253.49,88.14 252.73,88.9 252.73,101.6 v1(254,102.87)
  Bottom w0.25: U2.5 261.46,102.87 v1(254,102.87)
Net-(U2-O2): length 291.8
  Top w0.25: v1(259.33,89.41) 260.35,90.42 260.35,104.3 U2.6 ; v1(258.83,86.61) 258.2,87.24 161.53,87.24 149.61,75.31 149.61,56.9 SW27.1 SW20.1
  Bottom w0.25: v1(258.83,86.61) 259.33,87.12 v1(259.33,89.41)
Net-(U2-O3): length 229.2
  Top w0.25: U2.9 254.98,104.3 254.98,89.39 255.78,88.59 293.05,88.59 301.71,79.93 301.71,56.6 SW37.1 SW30.1
Net-(U2-O4): length 297
  Top w0.25: v1(254.25,88.9) 253.85,89.3 U2.12 ; v1(253.75,86.36) 253.32,86.79 161.72,86.79 150.06,75.12 150.06,38.3 SW47.1 SW40.1
  Bottom w0.25: v1(253.75,86.36) 254.25,87.12 v1(254.25,88.9)
Net-(U2-O5): length 234
  Top w0.25: SW50.1 SW57.1 302.16,38 302.16,80.12 293.23,89.04 262.38,89.04 261.47,89.95 U2.15
Net-(U2-O6): length 326.7
  Top w0.25: v1(264.67,89.92) 264.01,90.57 U2.16 ; v1(263.91,85.85) 263.69,85.64 253.45,85.64 252.74,86.34 161.91,86.34 150.51,74.94 150.51,19.7 SW67.1 SW60.1
  Bottom w0.25: v1(264.67,89.92) 264.67,86.61 v1(263.91,85.85)
Net-(U2-O7): length 243.6
  Top w0.25: SW70.1 SW77.1 302.61,19.4 302.61,80.3 293.42,89.49 272.29,89.49 271.63,90.14 U2.19

## Copper pours and planes (outline as drawn; the poured copper is in the pictures)
GND on Bottom: -16,186.57 322.31,186.13 320.55,-23.56 -18.65,-22.24 -16.45,186.6
VCC on Top: -14.44,185.15 319.39,185.15 320.75,-22.75 -16.7,-22.75 -14.89,184.25

## Text on the board
F.Silkscreen: VCC | GND | D0 | D7 | MREQ_enable | ~{RD} | ~{WR} | ~{MREQ} | ~{IORQ} | ~{RESET} | ~{CLK} | ~{CLKINH} | A15 | A14 | A13 | A12 | A11 | A10 | A9 | A8 | A7 | A6 | A5 | A4 | A3 | A2 | A1 | A0 | HD44780 LCD | ~{GPIO_RD} | GPI0 | GPI1 | GPI2 | GPI3 | GPI4 | GPI5 | GPI6 | GPI7 | GPIO | GPO0 | GPO1 | GPO2 | GPO3 | GPO4 | GPO5 | GPO6 | GPO7 | ~{GPIO_WR} | IORQ_enable | V0 | RS | R/~{W} | E | D1 | D2 | D3 | D4 | D5 | D6 | LEDVCC | LEDGND | PainfulDiodes / BeanZee | PainfulDiodes / BeanBoard
User.1: BB POWER | BB DATA | D7 | GND | VCC | D0 | BB MREQ EN | BB IORQ EN | CLKINH | RESET | MREQ | IORQ | CLK | A15 | WR | BB CONTROL | RD | BB ADDR | A0 | N/C | USBIORQ
